# Altium PCB Hienthi.PcbDoc
Units mm, origin at the board's own origin, x right, y up, seen from the top; angles counter-clockwise.
Board outline 96.39 x 115.32 mm, 2 copper layers (Top Layer, Bottom Layer); 42 components, 36 nets, 204 pads, 37 vias.
Unrouted connection lines stored in the file: 2.
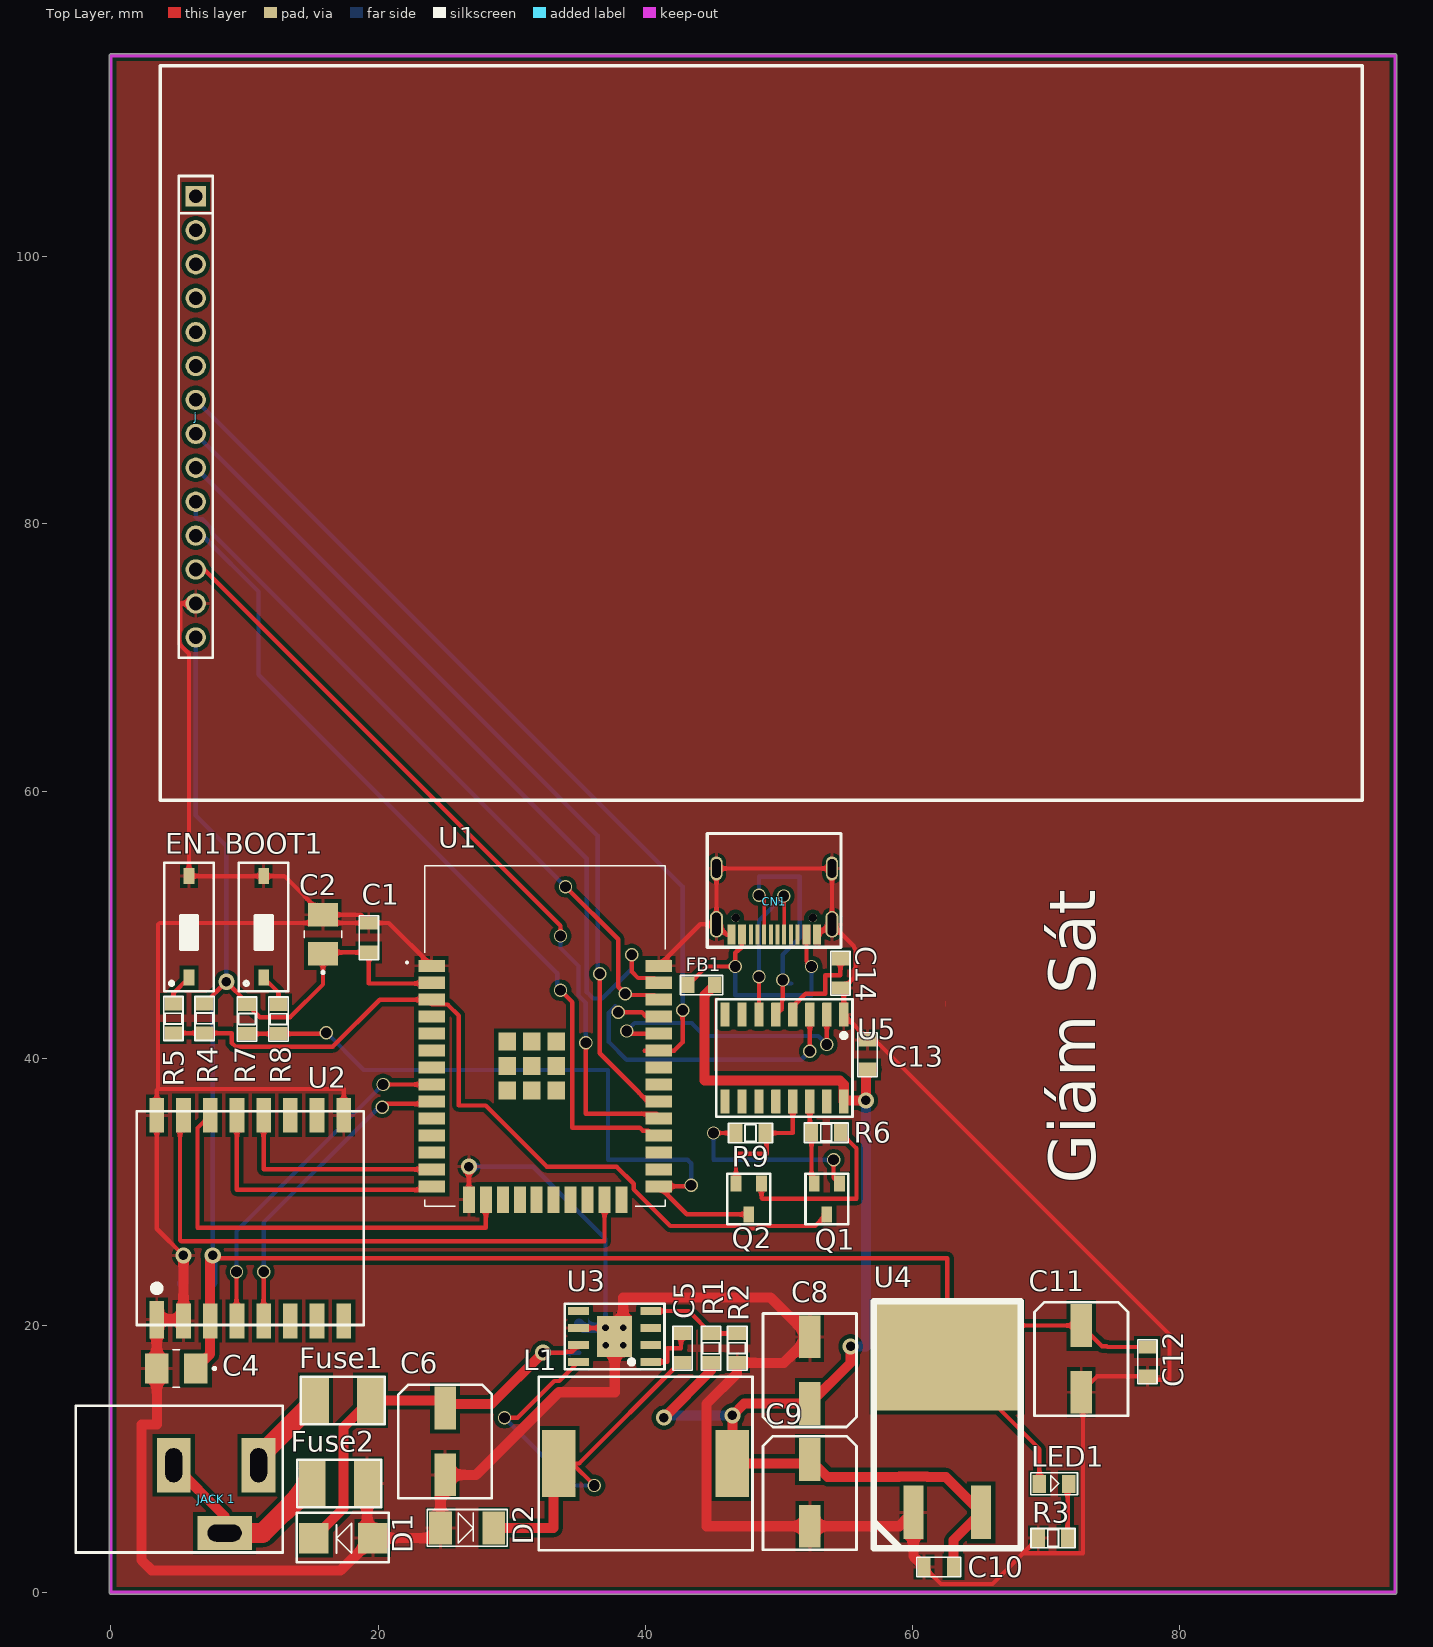
[diagram p0: Top Layer view]
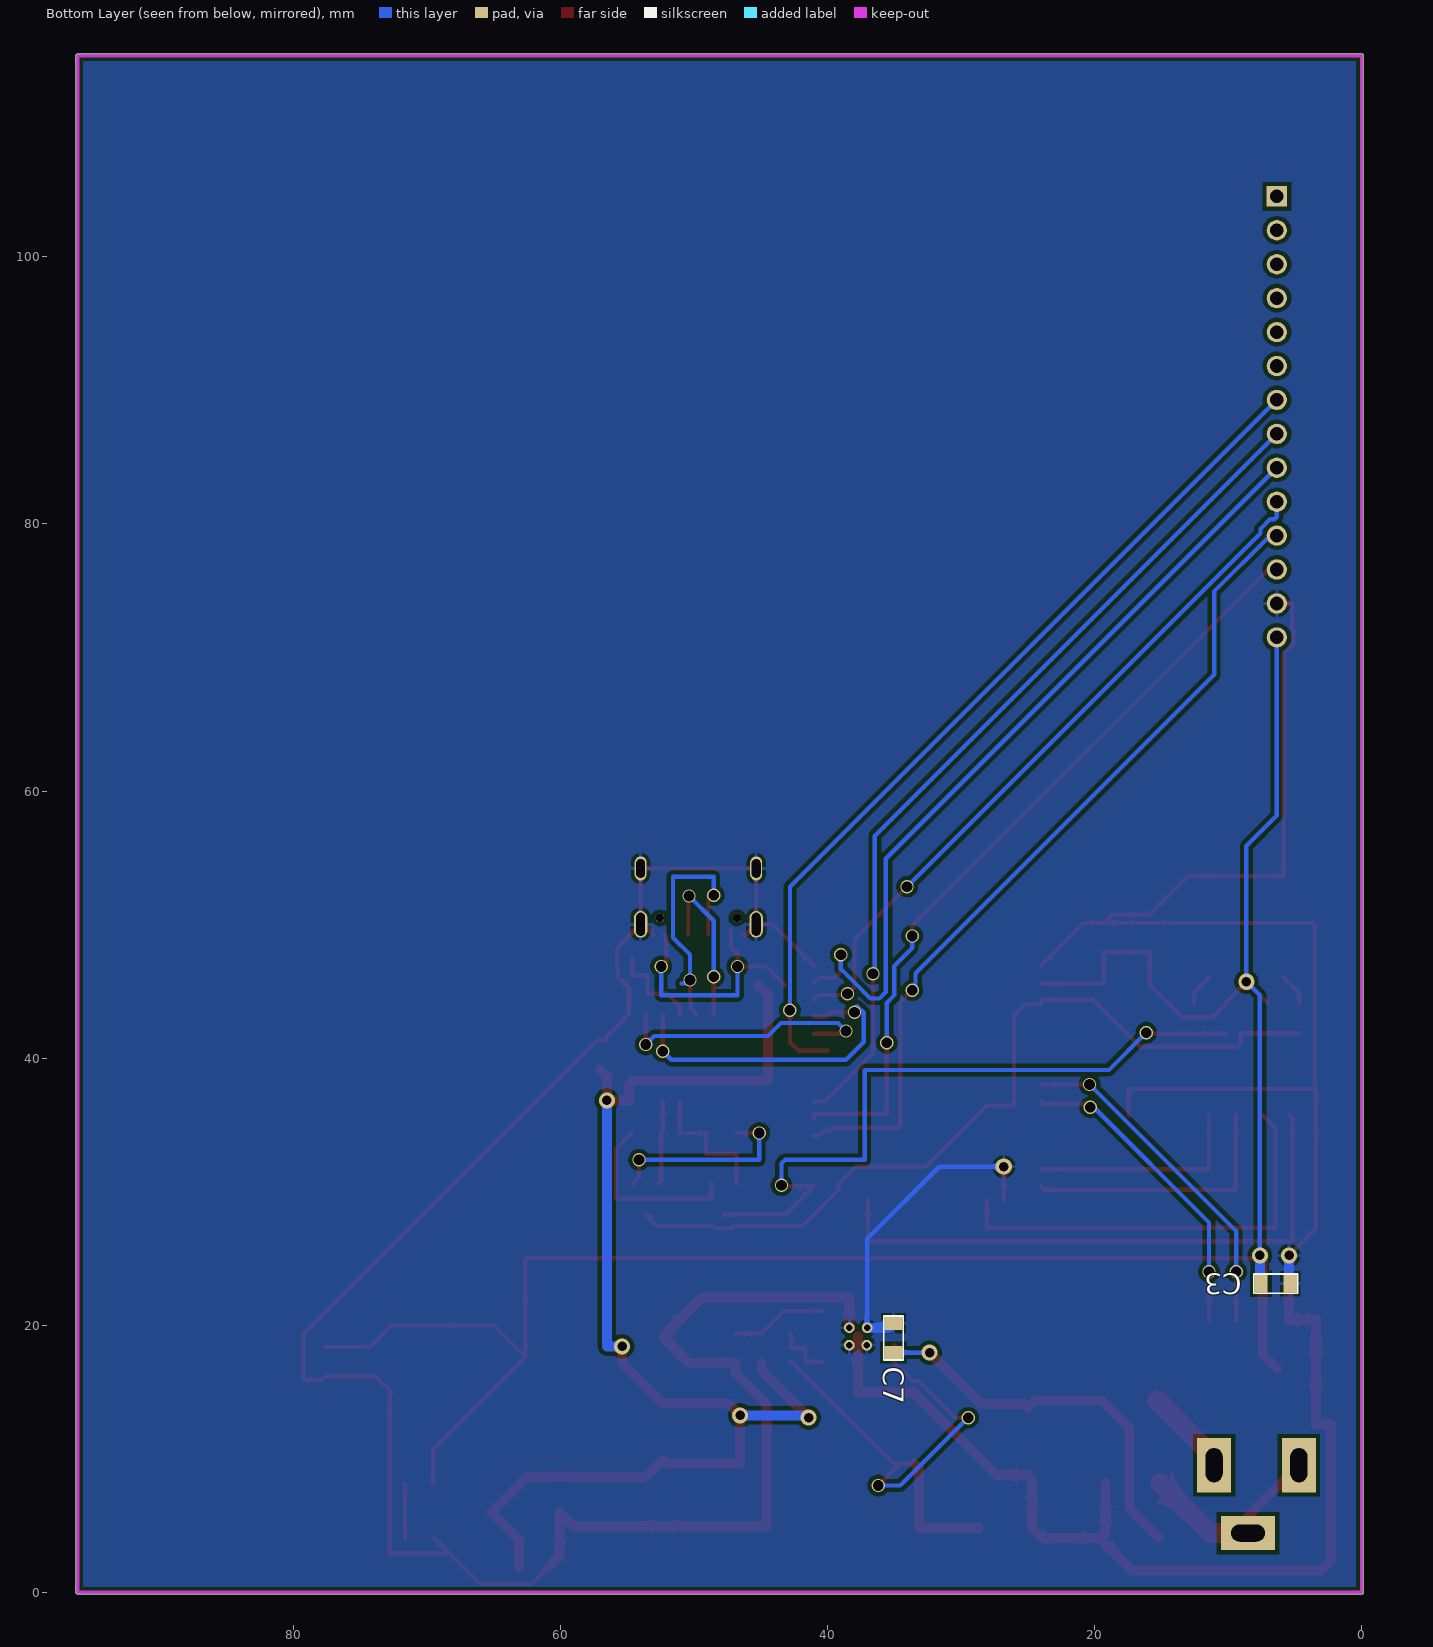
[diagram p1: Bottom Layer view, seen from below]
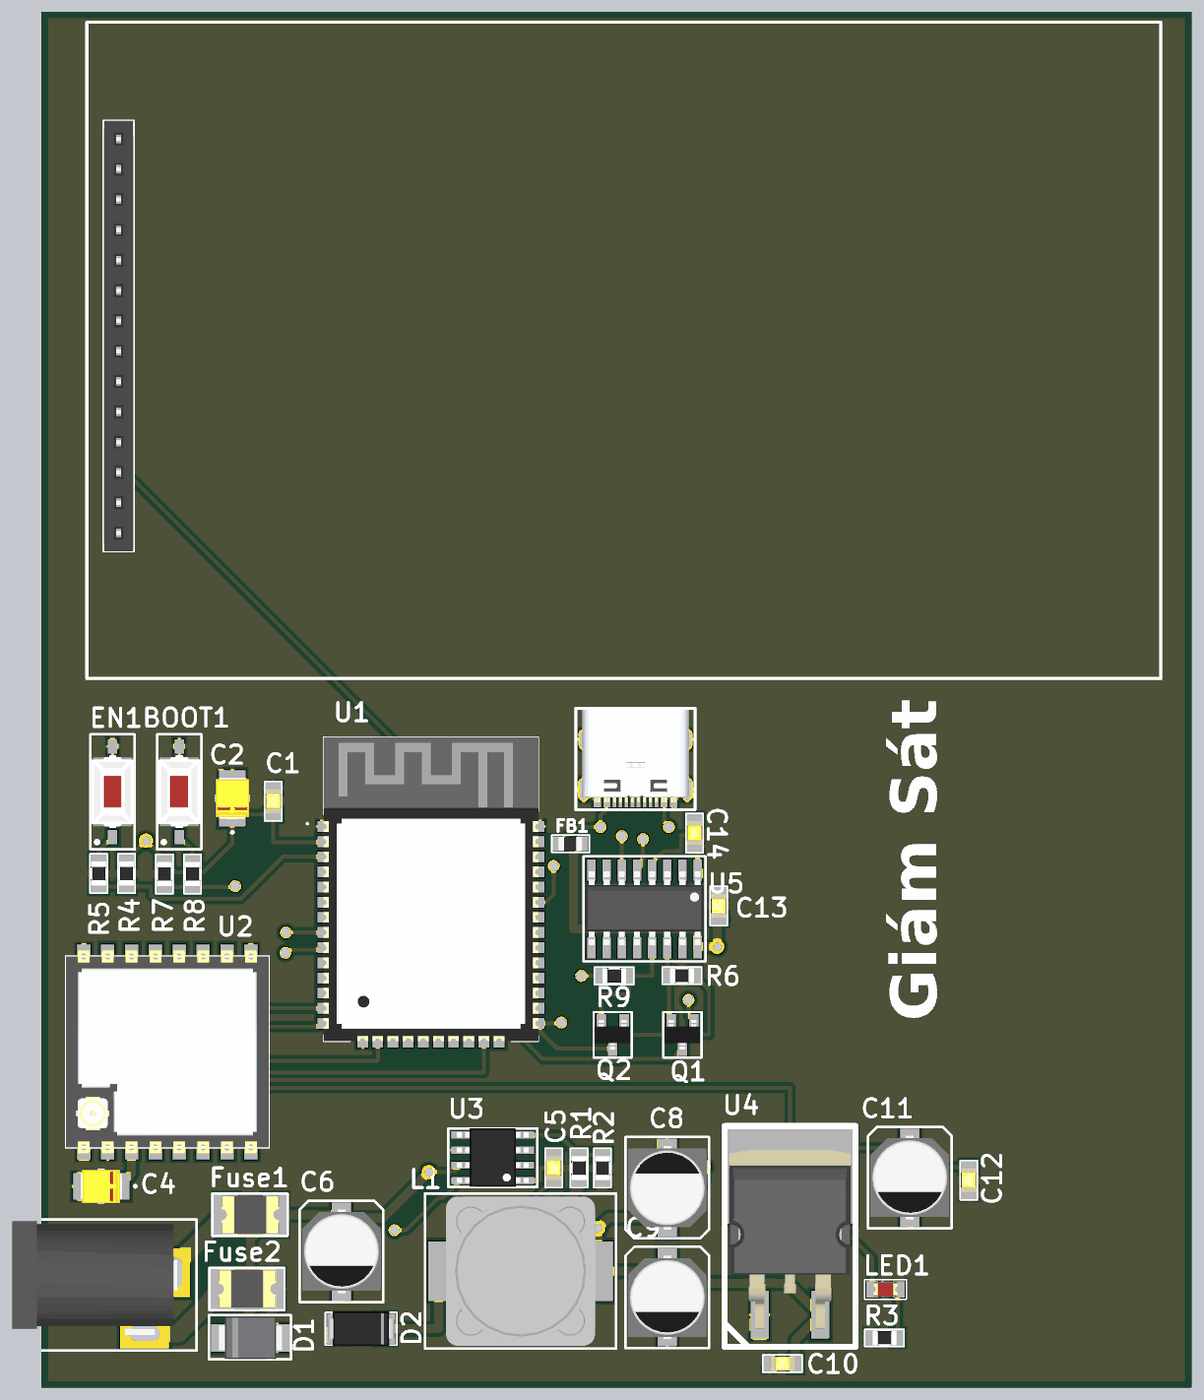
[diagram p2: 3D render of the assembled board from above, using the file's embedded part models]

## Layer stack, top to bottom
Top Solder: solder mask 0.0102, Solder Resist, Dk 3.5
Top Layer: signal copper 0.0356
Dielectric 1: dielectric 0.32, FR-4, Dk 4.8
Bottom Layer: signal copper 0.0356
Bottom Solder: solder mask 0.0102, Solder Resist, Dk 3.5

## Board outline
0,-0.127 cw(c0,0) -0.127,0 -0.127,115.062 cw(c0,115.062) 0,115.189 96.139,115.189 cw(c96.139,115.062) 96.266,115.062 96.266,0 cw(c96.139,0) 96.139,-0.127

## Design rules (kind name [scope] priority, off if disabled: settings)
Clearance [All] p1: gap=0.3 ignorepadtopadclearanceinfootprint=FALSE
PolygonConnect [All] p1: connectstyle=Relief reliefconductorwidth=0.254 reliefentries=4 polygonreliefangle="90 Angle" airgapwidth=0.254
RoutingVias [All] p1: holewidth=0.711 width=1.27 viastyle="Through Hole" minholewidth=0.711 minwidth=1.27 maxholewidth=0.711 maxwidth=1.27
SolderMaskExpansion [All] p1: expansion=0.102 istentingtop=FALSE
Width VCC [All] p1: maxlimit=1.5 minlimit=0.325 preferedwidth=0.75
Width Chung [All] p2: maxlimit=0.5 minlimit=0.2 preferedwidth=0.3
Width GND [InNet('GND')] p3: maxlimit=1.2 minlimit=0.3 preferedwidth=0.6
30 further rules are at their usual default settings.

## Components (designator, comment, footprint, x,y, rotation, side; value= is the part's Value field where it differs from the comment)
BOOT1 "SW_2pin_SMD" SW2-SMD** 11.43,49.828 r90 top
C1 "100nF/50V" CAP-0805** 19.304,49.022 r90 top
C2 "100uF/10V" CAP_TANTA_SMD3528 16.129,49.53 r90 top
C3 "100nF/50V" CAP-0805** 6.434,23.114 r0 bottom
C4 "100uF/10V" CAP_TANTA_SMD3528 4.635,17.018 r180 top
C5 "100nF/50V" CAP-0805** 42.799,18.288 r270 top
C6 "100uF/35V" "CAP-AL- Size D8_6.3×7.7 mm**" 25.019,11.303 r270 top
C7 "100nF/50V" CAP-0805** 35.052,19.05 r270 bottom
C8 "100uF/35V" "CAP-AL- Size D8_6.3×7.7 mm**" 52.324,16.637 r90 top
C9 "100uF/35V" "CAP-AL- Size D8_6.3×7.7 mm**" 52.324,7.453 r270 top
C10 "100nF/50V" CAP-0805** 61.976,1.905 r0 top
C11 "100uF/35V" "CAP-AL- Size D8_6.3×7.7 mm**" 72.644,17.486 r270 top
C12 "100nF/50V" CAP-0805** 77.597,17.272 r90 top
C13 "100nF/50V" CAP-0805** 56.642,40.259 r90 top
C14 "100nF/50V" CAP-0805** 54.61,46.355 r270 top
CN1 "USB type C-16" "USB TYPE C-16**" 49.657,51.816 r180 top
D1 "SMBJ30A" DO-214AA** 17.399,4.064 r180 top
D2 "B340A" DO-214AC** 26.67,4.826 r0 top
EN1 "SW_2pin_SMD" SW2-SMD** 5.842,49.828 r90 top
FB1 "100mA" "FB 0805**" 44.196,45.466 r0 top value=600R/100mA
Fuse1 "T300_3A" FUSE-1812** 17.399,14.351 r0 top
Fuse2 "T300_3A" FUSE-1812** 17.145,8.128 r0 top
j "Jumper 1x14P" JUMP1x14 5.08,106.045 r270 top
"JACK 1" "DC3501" DC_005** 7.874,6.985 r0 top value="Jac DC"
L1 "CDRH12_22uH" IND_CDRH12_12x12x7MM** 40.028,9.652 r0 top value=22uH
LED1 "LedRed" LED-0805-Red** 70.612,8.128 r0 top
Q1 "MMBT3904" "SOT23-3 **" 53.594,29.457 r180 top
Q2 "MMBT3904" "SOT23-3 **" 47.752,29.457 r180 top
R1 "10K" Res-0805** 44.958,18.288 r270 top
R2 "3.24K" Res-0805** 46.863,18.288 r90 top
R3 "1K" Res-0805** 70.528,4.089 r0 top
R4 "10K" Res-0805** 6.985,42.97 r90 top
R5 "10K" Res-0805** 4.699,42.97 r270 top
R6 "10K" Res-0805** 47.879,34.417 r0 top
R7 "10K" Res-0805** 10.16,42.926 r90 top
R8 "10K" Res-0805** 12.573,42.926 r270 top
R9 "10K" Res-0805** 53.551,34.392 r180 top
U1 "ESP32-WROOM-32E__8MB_" ESP32WROOM32E8MB 32.512,41.656 r0 top
U2 "RA-02" RA-02 10.43,28.02 r90 top
U3 "TPS5430" SOIC8-PAD** 37.704,19.162 r180 top
U4 "LM1084ISX-3.3" TO-263/D2PAK 62.611,11.811 r0 top
U5 "CH340C" SOIC-16** 50.419,40.005 r270 top

## Footprints (in the part's own frame and the unit in brackets; to place one, negate y for a bottom-side part, rotate by r counter-clockwise, add the part's x,y. Pads: shape width x height; smd on the part's side, far side on the other; paste and mask are expansions set on the pad)
CAP-0805** [mm]
  rect 1x1.35 smd: 1(-1.1,0) 2(1.1,0)
  silkscreen extent -1.65,-0.72 1.65,0.73, body extent -1,-0.62 1,0.63, height 1.25
"CAP-AL- Size D8_6.3×7.7 mm**" [mm]
  rect 3.2x1.6 smd: 1(-2.5,0) 2(2.5,0)
  silkscreen extent -4.25,-3.5 4.25,3.5, body extent -3.5,-3.3 3.5,3.3, height 7.71
CAP_TANTA_SMD3528 [mm]
  rect 1.79x2.21 smd: 1(-1.714,0.254) 2(1.206,0.254)
  silkscreen extent -3.21,-1.15 -0.01,1.65, body extent -2,-1.15 1.5,1.65, height 2.1
DC_005** [mil]
  rect 100x160 hole 50 slot 100 at 90 deg: 1(125,100) 2(-125,100)
  rect 160x100 hole 50 slot 100 at 0 deg: 3(25,-100)
  silkscreen extent -413,-157 197,276, body extent -410,-105 134,269, height 434
DO-214AA** [mm]
  rect 2.2x2.3 smd: 1(-2.21,0) 2(2.21,0)
  silkscreen extent -3.39,-1.9 3.5,1.8, body extent -2.7,-1.8 2.7,1.8, height 2.32
DO-214AC** [mm]
  rect 1.7x2.5 smd: 1(-2,0) 2(2,0)
  silkscreen extent -3,-1.38 3,1.38, body extent -2.8,-1.48 2.8,1.48, height 2.7
ESP32WROOM32E8MB [mm]
  rect 2x0.9 smd: 1(-8.5,5.26) 2(-8.5,3.99) 3(-8.5,2.72) 4(-8.5,1.45) 5(-8.5,0.18) 6(-8.5,-1.09) 7(-8.5,-2.36) 8(-8.5,-3.63) 9(-8.5,-4.9) 10(-8.5,-6.17) 11(-8.5,-7.44) 12(-8.5,-8.71) 13(-8.5,-9.98) 14(-8.5,-11.25) 25(8.5,-11.25) 26(8.5,-9.98) 27(8.5,-8.71) 28(8.5,-7.44) 29(8.5,-6.17) 30(8.5,-4.9) 31(8.5,-3.63) 32(8.5,-2.36) 33(8.5,-1.09) 34(8.5,0.18) 35(8.5,1.45) 36(8.5,2.72) 37(8.5,3.99) 38(8.5,5.26)
  rect 0.9x2 smd: 15(-5.715,-12.25) 16(-4.445,-12.25) 17(-3.175,-12.25) 18(-1.905,-12.25) 19(-0.635,-12.25) 20(0.635,-12.25) 21(1.905,-12.25) 22(3.175,-12.25) 23(4.445,-12.25) 24(5.715,-12.25)
  rect 1.33x1.33 smd: 39(-2.835,-0.405) 40(-1,-0.405) 41(0.835,-0.405) 42(-2.835,-2.24) 43(-1,-2.24) 44(0.835,-2.24) 45(-2.835,-4.075) 46(-1,-4.075) 47(0.835,-4.075)
  silkscreen extent -10.4,-12.75 9,12.75, body extent -9,-12.75 9,12.75, height 3.1
"FB 0805**" [mm]
  rect 1x1.2 smd: 1(-1,0) 2(1,0)
  silkscreen extent -1.55,-0.72 1.6,0.73, body extent -1,-0.6 1,0.6, height 0.95
FUSE-1812** [mm]
  rect 2x3.5 smd: 1(-2.084,0.028) 2(2.036,0.028)
  silkscreen extent -3.2,-1.75 3.1,1.8, body extent -2.43,-1.58 2.39,1.64, height 1.32
IND_CDRH12_12x12x7MM** [mm]
  rect 2.5x5 smd: 1(-6.5,0) 2(6.5,0)
  silkscreen extent -8,-6.5 8,6.5, body extent -6.25,-6.25 6.25,6.25, height 6
JUMP1x14 [mm]
  rect 1.52x1.52 hole 1.02: 1(1.524,1.27)
  round 1.52 hole 1.02: 2(4.064,1.27) 3(6.604,1.27) 4(9.144,1.27) 5(11.684,1.27) 6(14.224,1.27) 7(16.764,1.27) 8(19.304,1.27) 9(21.844,1.27) 10(24.384,1.27) 11(26.924,1.27) 12(29.464,1.27) 13(32.004,1.27) 14(34.544,1.27)
  silkscreen extent 0,0 36.06,2.54, body extent 0,0.02 36.06,2.52, height 8.51
LED-0805-Red** [mm]
  rect 1x1.35 smd: 1(-1.1,0) 2(1.1,0)
  silkscreen extent -1.75,-0.82 1.75,0.82, body extent -1.01,-0.63 1.01,0.63, height 1.1
RA-02 [mm]
  rect 2.8x1.1 smd: 1(-7.6,7)
  rect 2.6x1.1 smd: 2(-7.7,5) 3(-7.7,3) 4(-7.7,1) 5(-7.7,-1) 6(-7.7,-3) 7(-7.7,-5) 8(-7.7,-7) 9(7.7,-7) 10(7.7,-5) 11(7.7,-3) 12(7.7,-1) 13(7.7,1) 14(7.7,3) 15(7.7,5) 16(7.7,7)
  silkscreen extent -8,-8.5 8,8.5, body extent -8.5,-8.5 8.5,8.5, height 3.3
Res-0805** [mm]
  rect 1x1.35 smd: 1(-1.1,-0.025) 2(1.1,-0.025)
  silkscreen extent -1.65,-0.75 1.65,0.7, body extent -1,-0.65 1,0.6, height 0.5
SOIC8-PAD** [mm]
  rrect10% 1.55x0.6 smd mask+0.07: 1(-2.7,1.905) 2(-2.7,0.635) 3(-2.7,-0.635) 4(-2.7,-1.905) 5(2.7,-1.905) 6(2.7,-0.635) 7(2.7,0.635) 8(2.7,1.905)
  round 0.8 hole 0.5: 9(-0.65,0.65) 9(-0.65,-0.65) 9(0.65,0.65) 9(0.675,-0.65)
  rect 2.6x3.1 smd mask+0.07: 9(0,0)
  silkscreen extent -3.73,-2.44 3.73,2.46, body extent -3,-2.45 3,2.45, height 1.75
SOIC-16** [mm]
  rrect10% 1.8x0.7 smd: 1(-3.25,4.445) 2(-3.25,3.175) 3(-3.25,1.905) 4(-3.25,0.635) 5(-3.25,-0.635) 6(-3.25,-1.905) 7(-3.25,-3.175) 8(-3.25,-4.445) 9(3.25,-4.445) 10(3.25,-3.175) 11(3.25,-1.905) 12(3.25,-0.635) 13(3.25,0.635) 14(3.25,1.905) 15(3.25,3.175) 16(3.25,4.445)
  silkscreen extent -4.4,-5.1 4.4,5.1, body extent -3.15,-4.95 3.05,4.95, height 1.7
"SOT23-3 **" [mm]
  rect 0.8x1.2 smd mask+0.07: 1(-0.95,-1.15) 2(0.95,-1.15) 3(0,1.15)
  silkscreen extent -1.6,-1.9 1.6,1.9, body extent -1.5,-1.25 1.5,1.25, height 1.11
SW2-SMD** [mm]
  rect 1.2x0.8 smd: 1(-3.8,0) 2(3.8,0)
  silkscreen extent -4.82,-1.85 4.8,1.85, body extent -3.05,-1.85 3.05,1.85, height 2.5
TO-263/D2PAK [mm]
  rect 1.5x4 smd: 1(-2.54,-5.82) 3(2.54,-5.82)
  rect 11x8 smd: 2(0,5.82)
  silkscreen extent -5.5,-8.5 5.5,10, body extent -5.1,-7 5.1,8.01, height 4.5
"USB TYPE C-16**" [mm]
  rect 0.3x1.5 smd mask+0.05: A1(-3.35,2.565) A4(-2.55,2.565) A5(-1.25,2.565) A6(-0.25,2.565) A7(0.25,2.565) A8(1.25,2.565) A9(2.55,2.565) A12(3.35,2.565) B1(3.05,2.565) B4(2.25,2.565) B5(1.75,2.565) B6(0.75,2.565) B7(-0.75,2.565) B8(-1.75,2.565) B9(-2.25,2.565) B12(-3.05,2.565)
  oval 1x2 hole 0.65 slot 1.72 at 90 deg: MH1(-4.325,1.795) MH2(4.325,1.795)
  oval 0.9x1.8 hole 0.65 slot 1.4 at 90 deg: MH3(-4.325,-2.385) MH4(4.325,-2.385)
  round 0.65 hole 0.65 unplated: ""(-2.89,1.315) ""(2.89,1.315)
  silkscreen extent -5,-5 5,3.5, body extent -4.47,-4.88 4.47,2.87, height 3.26

## Part data
C1 C3 C5 C7 C10 C12 C13 C14: library part Cap-100nF/50V_0805, "2Pin-SMD-0805 ,Ceramic X7R", Supplier Part Number 1=478-5794-1-ND, ComponentLink2Description=LINK, ComponentLink2URL=https://detail.tmall.com/item.htm?spm=a230r.1.14.4.26821280N1IkGr&id=14263740089&ns=1&abbucket=13, Supplier 1=Digi-Key
C2 C4: library part "Cap-Tanta_100uF/10V 3528", "Cap-Tantalum  SMD3528 3.5mm x 2.8mm", ComponentLink1Description=LINK, ComponentLink1URL=https://www.linhkienchatluong.vn/tu-tantalium/tu-tantalum-3528-107a-10v-100uf-35x28mm-tajb107m010rnj_sp460_ct1163.aspx
C6 C8 C9 C11: library part Cap-Al_100uF/35V, "Cap-Al-Size D8_6.3×7.7 mm", Supplier Part Number 1=PCE4023CT-ND, ComponentLink1Description=LINK, ComponentLink1URL=https://detail.tmall.com/item.htm?id=41255381063&ali_refid=a3_430620_1006:1109983619:N:mR14IaEyJGx9IXgn9mrJ8g==:fcc8671f3f0767a2a283883aff17c2c8&ali_trackid=1_fcc8671f3f0767a2a283883aff17c2c8&spm=a230r.1.14.11, Supplier 1=Digi-Key
CN1: Package=None, Availability="In Stock", Check_prices=https://www.snapeda.com/parts/CSP-USC16-TR/Valcon/view-part/?ref=eda, MF=Valcon, MP=CSP-USC16-TR, Price=None, Purchase-URL=https://pricing.snapeda.com/search/part/CSP-USC16-TR/?ref=eda, SnapEDA_Link=https://www.snapeda.com/parts/CSP-USC16-TR/Valcon/view-part/?ref=snap
D1: library part D-TVS_SMBJ30A, "DO-214AA**", Supplier Part Number 1=497-7452-1-ND, Supplier 1=Digi-Key
D2: library part DSchottky_B340A, "DO_214AC", Supplier Part Number 1=B340A-FDICT-ND, Code_JEDEC=DO-214-AA, LatestRevisionDate=17-Jul-2002, LatestRevisionNote="Re-released for DXP Platform.", PackageDescription="DO-214-AA/SMB; 2 C-Bend Leads; Body 5.3 x 3.6 mm, inc. leads (LxW)", PackageReference=SMB, Published=8-Jun-2000, Publisher="Altium Limited", Supplier 1=Digi-Key
FB1: library part FB0805/600R_0805, "FB0805/600R/0805", Supplier Part Number 1=732-1605-1-ND, Code_IEC=1005, Code_JEITA=0402, ComponentLink1Description=LINK, ComponentLink1URL=https://detail.tmall.com/item.htm?spm=a230r.1.14.19.4d2d4104dPStzc&id=520400456792&ns=1&abbucket=14, LatestRevisionDate=29-May-2009, LatestRevisionNote="IPC-7351 Footprint Added.", PackageDescription="Chip Inductor", PackageReference=0402-A, Published=8-Jun-2000, Publisher="Altium Limited", Supplier 1=Digi-Key
Fuse1 Fuse2: library part "FUSE 3A _1812", "SMD 1812", ComponentLink1Description=LINK
"JACK 1": library part "Jack  DC3501", "Jack DC3.5x1.3MM DC3501", ComponentLink1Description=LINK, ComponentLink1URL=https://banlinhkien.vn/search.php?encode=YToyOntzOjg6ImtleXdvcmRzIjtzOjc6IiBEQzM1MDEiO3M6MTg6InNlYXJjaF9lbmNvZGVfdGltZSI7aToxNTk1MTMzOTcxO30=
L1: library part IN_CDRH12_22uH, "CDRH12_12x12x7MM**", Manufacturer="Generic Components", Class=Passive, ComponentLink1Description=LINK, ComponentLink1URL=https://detail.tmall.com/item.htm?spm=a230r.1.14.4.22082c55KfJoCj&id=611579782762&ns=1&abbucket=13, Published=08/06/2000, Publisher="Altium Hobart Technology Centre", SubClass=Inductor
LED1: "2Pin-SMD"
Q1 Q2: library part TRA-N_MMBT3904, "3PIN-SOT23,MMBT3904", ComponentLink1Description=LINK, ComponentLink1URL=https://item.taobao.com/item.htm?id=527006583092&ali_refid=a3_430620_1006:1121200726:N:XI%2BpTmT8xw9bZIeM%2FjTiLA%3D%3D:19dd16769967fd6e0912d0270aacb09b&ali_trackid=1_19dd16769967fd6e0912d0270aacb09b&spm=a230r.1.14.6#detail
R1 R4 R5 R6 R7 R8 R9: library part "Res-10K 0805 SMD", "Res-10K 0805 SMD", Supplier Part Number 1=P2.2KADCT-ND, ComponentLink1Description=LINK, ComponentLink1URL=https://item.taobao.com/item.htm?id=9650284639&ali_refid=a3_430620_1006:1103178945:N:UGPSVTFPMeU0i498yOmUJg%3D%3D:a0464737d977578f179f11ed5bc90629&ali_trackid=1_a0464737d977578f179f11ed5bc90629&spm=a230r.1.14.3#detail, Supplier 1=Digi-Key
R2: library part "Res-3.24K 0805 SMD", "Res-3.24K 0805 SMD", Supplier Part Number 1=P2.2KADCT-ND, ComponentLink1Description="New link", ComponentLink1URL=https://detail.tmall.com/item.htm?spm=a230r.1.14.40.76941cc8lWAt5G&id=601599239036&ns=1&abbucket=13&skuId=4207155181076, Supplier 1=Digi-Key
R3: library part "Res-1K 0805 SMD", "Res-1K 0805 SMD", Supplier Part Number 1=311-1.00KCRDKR-ND, ComponentLink1Description=LINK, ComponentLink1URL=https://detail.tmall.com/item.htm?spm=a230r.1.14.11.52f63c9f5M7ld0&id=590284119473&ns=1&abbucket=18, Supplier 1=Digi-Key
U1: "Integrated Circuit", Manufacturer_Name="Espressif Systems", Manufacturer_Part_Number="ESP32-WROOM-32E (8MB)", Mouser Part Number=356-ESP32WRM32E164PH, Datasheet Link=https://www.espressif.com/sites/default/files/documentation/esp32-wroom-32_datasheet_en.pdf, Height=3.2mm, Mouser Price/Stock=https://www.mouser.co.uk/ProductDetail/Espressif-Systems/ESP32-WROOM-32E-8MB?qs=GBLSl2AkirsjshqvD9slKA%3D%3D
U2: "General ISM < 1GHz LoRaâ„¢ Transceiver Module 410MHz ~ 525MHz Antenna Not Included, I-PEX Surface Mount", Package=None, Check_prices=https://www.snapeda.com/parts/RA-02/AI-Thinker/view-part/?ref=eda, MF=Ai-Thinker, MP=RA-02, SnapEDA_Link=https://www.snapeda.com/parts/RA-02/AI-Thinker/view-part/?ref=snap
U3: "SOIC8 pad-Height 1.7mm", Supplier Part Number 1=296-19447-5-ND, ComponentLink1Description=LINK, ComponentLink1URL=https://item.taobao.com/item.htm?id=575547225646&ali_refid=a3_430620_1006:1157180137:N:TqzOo3Qsw2wJKBie%2FoCIZA%3D%3D:72b2137211524287db0a57c77fec9fe5&ali_trackid=1_72b2137211524287db0a57c77fec9fe5&spm=a230r.1.14.3#detail, Supplier 1=Digi-Key
U4: "TO263-3"
U5: "16Pin-SOIC", ComponentLink1Description=LINK, ComponentLink1URL=https://item.taobao.com/item.htm?id=639554726734&ali_refid=a3_430620_1006:1261900192:N:GznzMacpvOVvv07TLoCAYw%3D%3D:7282688349290e4dc0857049d96b4ef9&ali_trackid=1_7282688349290e4dc0857049d96b4ef9&spm=a230r.1.14.6#detail
BOOT1 EN1: ComponentLink1Description=LINK, ComponentLink1URL=https://www.linhkienchatluong.vn/nut-nhan-sieu-nho/nut-nhan-2-chan-dan-3x6x25mm-loai-tot-dong-day-10c_sp849_ct1800.aspx
j: ComponentLink1Description="New link"

## Via types
v1: diameter 1, hole 0.8, Top Layer to Bottom Layer, 28 vias
v2: diameter 1.2, hole 0.711, Top Layer to Bottom Layer, 9 vias

## Nets (pads, with @x,y where several pads share a name; then routed paths per layer and width w, separated by ;. In a path a pad name is that pad's centre, name@x,y a point inside that pad or via, vN(x,y) a via of type N, cw(c..) or ccw(c..) an arc to the next point about the centre after c; other vN are vias at no path point)
12V: C6.1 C7.2 D1.2 Fuse1.2 U3.7 | length 32.5
  Top Layer w0.325: v2(32.342,17.95) 33.986,17.95 34.055,18.019 34.496,18.019 U3.7
  Top Layer w0.75: D1.2 17.399,6.274 17.399,12.343 Fuse1.2 24.442,14.379 C6.1 25.313,14.097 28.489,14.097 v2(32.342,17.95)
  Bottom Layer w0.325: v2(32.342,17.95) C7.2
DTR#: Q2.2 R6.2 U5.13 | length 10.6
  Top Layer w0.325: Q2.2 46.802,32.832 49.088,32.832 49.088,34.283 R6.2 51.054,34.392 51.054,36.467 U5.13
EN_ESP32: Q1.3 R4.1 R5.2 U1.3 | length 63.2
  Top Layer w0.325: R5.2 R4.1 9.048,41.87 9.048,41.134 9.319,40.863 15.074,40.863 16.254,40.863 16.606,40.863 20.119,44.376 U1.3 24.012,44.019 25.204,44.019 26.035,43.187 26.035,36.454 28.062,36.454 32.639,31.877 37.86,31.877 39.14,30.598 39.14,30.174 41.882,27.432 46.973,27.432 47.16,27.244 48.344,27.244 48.531,27.432 52.719,27.432 Q1.3
GND: BOOT1.2 C1.2 C2.2 C3.1 C4.2 C6.2 C7.1 C8.2 C9.2 C10.1 C11.2 C12.1 C13.2 C14.2 CN1.A1 CN1.A12 CN1.B1 CN1.B12 CN1.MH1 CN1.MH2 CN1.MH3 CN1.MH4 D1.1 D2.1 EN1.2 Fuse2.2 j.13 R2.1 R3.1 U1.1 U1.15 U1.38 U2.1 U2.2 U2.9 U2.16 U3.6 U3.9 U4.1 U5.1 | length 368.3
  Top Layer w0.325: v2(5.43,25.227) 3.43,27.226 U2.16 3.43,37.593 3.525,37.688 ; j.13 5.207,74.041 5.207,72.087 5.128,72.007 5.128,70.995 5.842,70.28 EN1.2 BOOT1.2 12.983,53.628 C2.2 18.69,50.736 C1.2 ; U2.9 17.43,37.688 3.525,37.688 ; U1.1 20.806,50.122 C1.2 ; U1.15 v2(26.797,31.877) ; U3.6 37.014,19.797 U3.9@37.029,19.812 ; U1.38 44.117,50.021 CN1.MH2 ; CN1.A12 46.102,49.251 CN1.MH2 ; CN1.A1 53.777,50.021 CN1.MH1 ; C10.1 62.146,0.635 65.999,0.635 68.305,2.942 ; R3.1 68.305,2.942 ; C11.2 73.83,16.172 C12.1 77.857,15.912 79.248,15.912 79.248,18.194 79.248,19.304 57.193,41.359 C13.2 56.642,41.477 U5.1 54.864,45.001 54.737,45.128 55.673,46.064 55.673,46.689 55.748,46.763 55.748,48.147 55.626,48.268 55.626,48.377 CN1.MH1 ; C11.2@72.771,14.859 72.771,2.921 68.326,2.921 68.305,2.942 ; 3.525,37.688 3.525,50.007 3.64,50.122 C1.2 ; CN1.MH2 CN1.MH4 CN1.MH3 CN1.MH1
  Top Layer w0.75: v2(5.43,25.227) U2.2 5.33,20.42 U2.1 C4.2 C4.2 3.429,12.573 2.286,12.573 2.286,2.413 3.048,1.651 17.196,1.651 D1.1 ; Fuse2.2 19.181,4.492 D1.1 ; U3.9@37.704,19.162 37.719,19.147 37.719,14.986 33.528,14.986 27.345,8.803 C6.2 24.67,8.454 D2.1 23.908,4.064 D1.1 ; U3.9@38.354,19.812 38.354,22.098 49.363,22.098 C8.2 50.375,17.188 R2.1 46.888,16.408 44.577,14.097 44.577,4.953 C9.2 59.033,4.953 U4.1 60.071,2.71 C10.1
  Bottom Layer w0.325: v2(26.797,31.877) 31.623,31.877 37.029,26.471 U3.9@37.029,19.812
  Bottom Layer w0.75: C3.1 5.43,23.21 v2(5.43,25.227) ; C7.1 35.39,19.812 U3.9@37.029,19.812
GND_IN: "JACK 1.2" "JACK 1.3" Fuse2.1 | length 14.7
  Top Layer w0.75: 4.699,9.525 8.509,5.715 8.509,4.445
  Top Layer w1.5: 8.509,4.445 11.35,4.445 Fuse2.1
GPIO0_ESP: Q2.3 R7.1 R8.2 U1.25 | length 53
  Top Layer w0.325: R7.1 R8.2 16.045,41.826 v1(16.129,41.91) ; v1(43.434,30.48) 43.36,30.406 U1.25 43.111,28.307 Q2.3
  Bottom Layer w0.325: v1(16.129,41.91) 18.923,39.116 37.211,39.116 37.211,32.385 43.18,32.385 43.434,32.131 v1(43.434,30.48)
LORA_INT: U1.9 U2.5 | length 23.7
  Top Layer w0.325: U2.5 v1(11.43,24.003) ; v1(20.32,36.322) 20.574,36.576 23.832,36.576 U1.9
  Bottom Layer w0.325: v1(11.43,24.003) 11.43,27.686 20.066,36.322 v1(20.32,36.322)
LORA_RESET: U1.8 U2.4 | length 25.9
  Top Layer w0.325: v1(9.398,24.003) 9.398,20.352 U2.4 ; v1(20.373,38.026) U1.8
  Bottom Layer w0.325: v1(9.398,24.003) 9.398,27.051 v1(20.373,38.026)
NetBOOT1_1: BOOT1.1 R8.1 | length 2.5
  Top Layer w0.325: BOOT1.1 12.548,44.911 R8.1
NetC5_1: C5.1 U3.1 | length 4.5
  Top Layer w0.325: U3.1 41.641,17.257 41.641,18.052 ; 41.641,18.053 41.641,18.288 42.682,18.288 42.682,19.271 C5.1
NetC5_2: C5.2 D2.2 L1.1 U3.8 | length 40.5
  Top Layer w0.325: v1(29.464,13.081) 30.439,13.081 33.181,15.824 33.571,15.824 U3.8 ; L1.1 L1.1@34.544,9.652 ; v1(36.195,8.001) L1.1@34.544,9.652 ; C5.2 42.588,17.188 35.052,9.652 L1.1@34.544,9.652
  Top Layer w0.75: D2.2 33.147,4.826 33.147,9.271 L1.1
  Bottom Layer w0.325: v1(29.464,13.081) 34.544,8.001 v1(36.195,8.001) v1@36.449,8.001
NetC14_1: C14.1 U5.4 | length 7.2
  Top Layer w0.325: U5.4 51.054,43.869 52.016,44.831 52.632,44.831 53.467,44.831 53.467,45.085 53.472,45.09 53.472,46.217 54.599,46.217 54.61,46.228 C14.1
NetCN1_A4: CN1.A4 CN1.A9 CN1.B4 CN1.B9 FB1.1 | length 19.8
  Top Layer w0.325: FB1.1 44.593,46.863 v1(46.736,46.863) 46.736,47.879 46.896,48.039 46.949,48.039 47.22,48.309 47.22,49.572 CN1.B4@47.275,49.627 ; CN1.A4 52.07,49.114 52.07,47.244 v1(52.451,46.863)
  Bottom Layer w0.325: v1(46.736,46.863) 46.736,44.704 52.451,44.704 v1(52.451,46.863)
NetCN1_A6: CN1.A6 CN1.B6 U5.5 | length 19.6
  Top Layer w0.254: v1(48.514,52.197) 48.895,52.197 48.907,52.185 CN1.B6
  Top Layer w0.325: U5.5 50.241,43.712 50.241,44.326 50.292,44.377 v1(50.292,45.847)
  Bottom Layer w0.325: v1(48.514,52.197) 48.514,53.594 51.562,53.594 51.562,49.022 50.292,47.752 v1(50.292,45.847) 50.546,45.593 50.927,45.593
NetCN1_A7: CN1.A7 CN1.B7 U5.6 | length 12.6
  Top Layer w0.254: v1(50.363,52.141) 50.407,52.141 CN1.B7
  Top Layer w0.325: U5.6 v1(48.514,46.101)
  Bottom Layer w0.325: v1(48.514,46.101) 48.514,50.292 v1(50.363,52.141)
NetEN1_1: EN1.1 R5.1 | length 2.4
  Top Layer w0.325: R5.1 4.674,44.86 EN1.1
NetLED1_2: LED1.2 R3.2 | length 4.1
  Top Layer w0.325: R3.2 71.628,8.044 LED1.2
NetQ1_1: Q1.1 R6.1 | length 14.6
  Top Layer w0.325: v1(45.11,34.392) R6.1 ; v1(54.102,32.385) 54.102,31.049 Q1.1
  Bottom Layer w0.325: v1(45.11,34.392) 45.11,32.385 v1(54.102,32.385)
NetQ2_1: Q2.1 R9.1 | length 13.7
  Top Layer w0.325: Q2.1 48.702,29.525 48.763,29.464 55.823,29.464 55.823,33.245 R9.1
NetR1_1: R1.1 R2.2 U3.4 | length 7.2
  Top Layer w0.325: U3.4 43.254,21.067 R1.1 R2.2
RTS#: Q1.2 R9.2 U5.14 | length 6.3
  Top Layer w0.325: U5.14 52.324,34.544 R9.2 52.451,30.8 Q1.2
RXD0_ESP: U1.34 U5.2 | length 20.6
  Top Layer w0.325: v1(38.608,42.037) 38.809,41.836 U1.34 ; v1(53.594,41.021) U5.2
  Bottom Layer w0.325: v1(38.608,42.037) 39.203,42.632 43.474,42.632 44.45,41.656 52.959,41.656 v1(53.594,41.021)
SPI_CLK: U1.13 U2.12 | length 16.6
  Top Layer w0.325: U2.12 11.43,31.676 U1.13
SPI_CS: U1.23 U2.15 | length 44.4
  Top Layer w0.325: U2.15 5.171,35.461 5.171,26.37 5.251,26.289 36.957,26.289 U1.23
SPI_MISO: U1.14 U2.13 | length 20.3
  Top Layer w0.325: U2.13 9.43,30.141 23.747,30.141 U1.14
SPI_MOSI: U1.16 U2.14 | length 32.5
  Top Layer w0.325: U2.14 6.477,34.767 6.477,27.292 28.067,27.292 U1.16
TFT_CLK: j.8 U1.30 | length 64.9
  Top Layer w0.325: v1(36.591,46.308) 36.591,40.371 39.55,37.412 39.55,37.384 39.82,37.114 39.848,37.114 40.206,36.756 U1.30
  Bottom Layer w0.325: j.8 36.449,56.642 36.449,46.307 v1(36.591,46.308)
TFT_CS: j.12 U1.29 | length 58.9
  Top Layer w0.325: j.12 6.985,76.581 33.655,49.911 v1(33.655,49.149) ; v1(35.56,41.148) 35.56,35.844 40.864,35.844 41.012,35.696 U1.29
  Bottom Layer w0.325: v1(33.655,49.149) 33.655,48.252 35.003,46.904 35.003,46.572 35.003,45.376 35.006,45.374 35.006,44.685 35.56,44.131 v1(35.56,41.148)
TFT_DC: j.10 U1.36 | length 53.1
  Top Layer w0.325: v1(34.036,52.832) 37.973,48.895 37.973,45.341 38.354,44.96 38.354,44.958 38.578,44.734 40.655,44.734 U1.36
  Bottom Layer w0.325: j.10 6.35,80.518 6.525,80.343 6.856,80.343 7.572,79.627 7.572,79.296 v1(34.036,52.832)
  other v1: 38.498,44.814
TFT_LED: j.7 U1.33 | length 66.3
  Top Layer w0.325: 39.952,40.566 U1.33 42.169,40.566 42.799,41.196 42.799,42.353 42.799,43.45 42.799,43.583 v1(42.811,43.595)
  Bottom Layer w0.325: j.7 42.799,52.832 42.799,43.595 v1(42.811,43.595)
TFT_MOSI: j.9 U1.37 | length 60.6
  Top Layer w0.325: v1(38.989,47.752) 38.989,46.482 39.467,46.004 40.655,46.004 U1.37
  Bottom Layer w0.325: j.9 35.628,54.923 35.628,46.706 35.628,46.677 35.628,46.313 35.628,45.635 35.636,45.627 35.631,45.622 35.631,44.944 36.11,44.465 36.788,44.465 37.267,44.944 38.989,46.666 v1(38.989,47.752)
TFT_RESET: j.11 U1.28 | length 63.1
  Top Layer w0.325: v1(33.655,45.085) 34.544,44.196 34.544,34.798 39.596,34.798 39.82,34.574 40.229,34.574 40.587,34.216 U1.28
  Bottom Layer w0.325: j.11 6.947,79.121 6.947,79.037 11.049,74.935 11.049,68.707 33.401,46.355 33.401,45.339 v1(33.655,45.085)
TXD0_ESP: U1.35 U5.3 | length 25.2
  Top Layer w0.325: v1(37.973,43.434) 38.479,43.434 39.751,43.434 40.079,43.106 U1.35 ; v1(52.324,40.513) U5.3
  Bottom Layer w0.325: v1(37.973,43.434) 37.973,43.664 37.761,43.876 37.282,43.397 37.282,41.204 38.608,39.878 51.689,39.878 v1(52.324,40.513)
VCC_3.3: C1.1 C2.1 C3.2 C4.1 C11.1 C12.2 j.14 LED1.1 R4.2 R7.2 U1.2 U2.3 U4.2 | length 174.9
  Top Layer w0.325: R4.2 7.01,44.094 v2(8.636,45.72) 10.141,44.215 10.141,44.07 R7.2 11.148,43.064 13.414,43.064 15.875,45.524 C2.1 15.981,47.922 C1.1 19.304,45.593 23.959,45.593 U1.2 ; v2(7.62,25.227) 7.828,25.019 62.611,25.019 U4.2 ; LED1.1 69.512,10.73 U4.2 ; C12.2 74.592,18.372 74.532,18.432 74.198,18.432 C11.1 64.966,19.986 U4.2
  Top Layer w0.75: C4.1 7.43,17.845 U2.3 7.43,25.227 v2(7.62,25.227)
  Bottom Layer w0.325: j.14 6.35,58.166 8.636,55.88 v2(8.636,45.72) 7.62,44.704 v2(7.62,25.227)
  Bottom Layer w0.75: C3.2 7.62,23.2 v2(7.62,25.227)
VCC_5: C8.1 C9.1 C10.2 C13.1 FB1.2 L1.2 R1.2 U4.3 U5.16 | length 94.5
  Top Layer w0.75: v2(41.402,13.081) 44.933,16.612 R1.2 ; FB1.2 44.45,44.72 44.45,38.33 54.571,38.33 54.864,38.037 U5.16 54.939,36.83 v2(56.515,36.83) 56.515,38.651 C13.1@57.023,39.159 ; v2(55.372,18.415) 55.372,17.185 C8.1 47.411,14.137 v2(46.528,13.254) L1.2 52.023,9.652 C9.1 53.641,8.636 59.011,8.636 59.041,8.666 61.101,8.666 61.131,8.636 62.506,8.636 U4.3 63.076,3.916 C10.2
  Bottom Layer w0.75: v2(41.402,13.081) 41.575,13.254 v2(46.528,13.254) ; v2(55.372,18.415) 56.515,18.415 v2(56.515,36.83)
VCC_12_IN: "JACK 1.1" Fuse1.1 | length 6.6
  Top Layer w1.5: 11.049,9.525 11.049,10.113 Fuse1.1
pads on no net: CN1. CN1.A5 CN1.A8 CN1.B5 CN1.B8 j.1 j.2 j.3 j.4 j.5 j.6 U1.4 U1.5 U1.6 U1.7 U1.10 U1.11 U1.12 U1.17 U1.18 U1.19 U1.20 U1.21 U1.22 U1.24 U1.26 U1.27 U1.31 U1.32 U1.39 U1.40 U1.41 U1.42 U1.43 U1.44 U1.45 U1.46 U1.47 U2.6 U2.7 U2.8 U2.10 U2.11 U3.2 U3.3 U3.5 U5.7 U5.8 U5.9 U5.10 U5.11 U5.12 U5.15

## Polygon pours and split planes (outlines as drawn)
GND on Top Layer "NONET_L-01_P-001" (solid, remove dead copper, pour order 3): 0,0 0,115.062 96.139,115.062 96.266,114.935 96.266,0
no net on Top Layer "NONET_L-01_P-001" (solid, pour order 0): 51.816,49.911 52.324,49.911 52.324,48.514 51.816,48.514
GND on Bottom Layer "NONET_L-01_P-001" (solid, remove dead copper, pour order 4): 0,115.062 0,0 96.266,0 96.266,114.935 96.139,115.062

## Keep-outs
Keep-Out Layer:
  lines w0.254: 0,0 95.885,0 96.139,0 96.139,115.062 95.504,115.062 0,115.062 0,0

## Silkscreen, mask and mechanical layers (free items; w line width, h text height)
Top Overlay:
  lines w0.254: 3.683,59.309 3.683,114.309 93.683,114.309 93.683,59.309 3.683,59.309
  text "Giám Sát" at 74.869,30.607 h6 r90